# KiCad board pcb.kicad_pcb (continued)
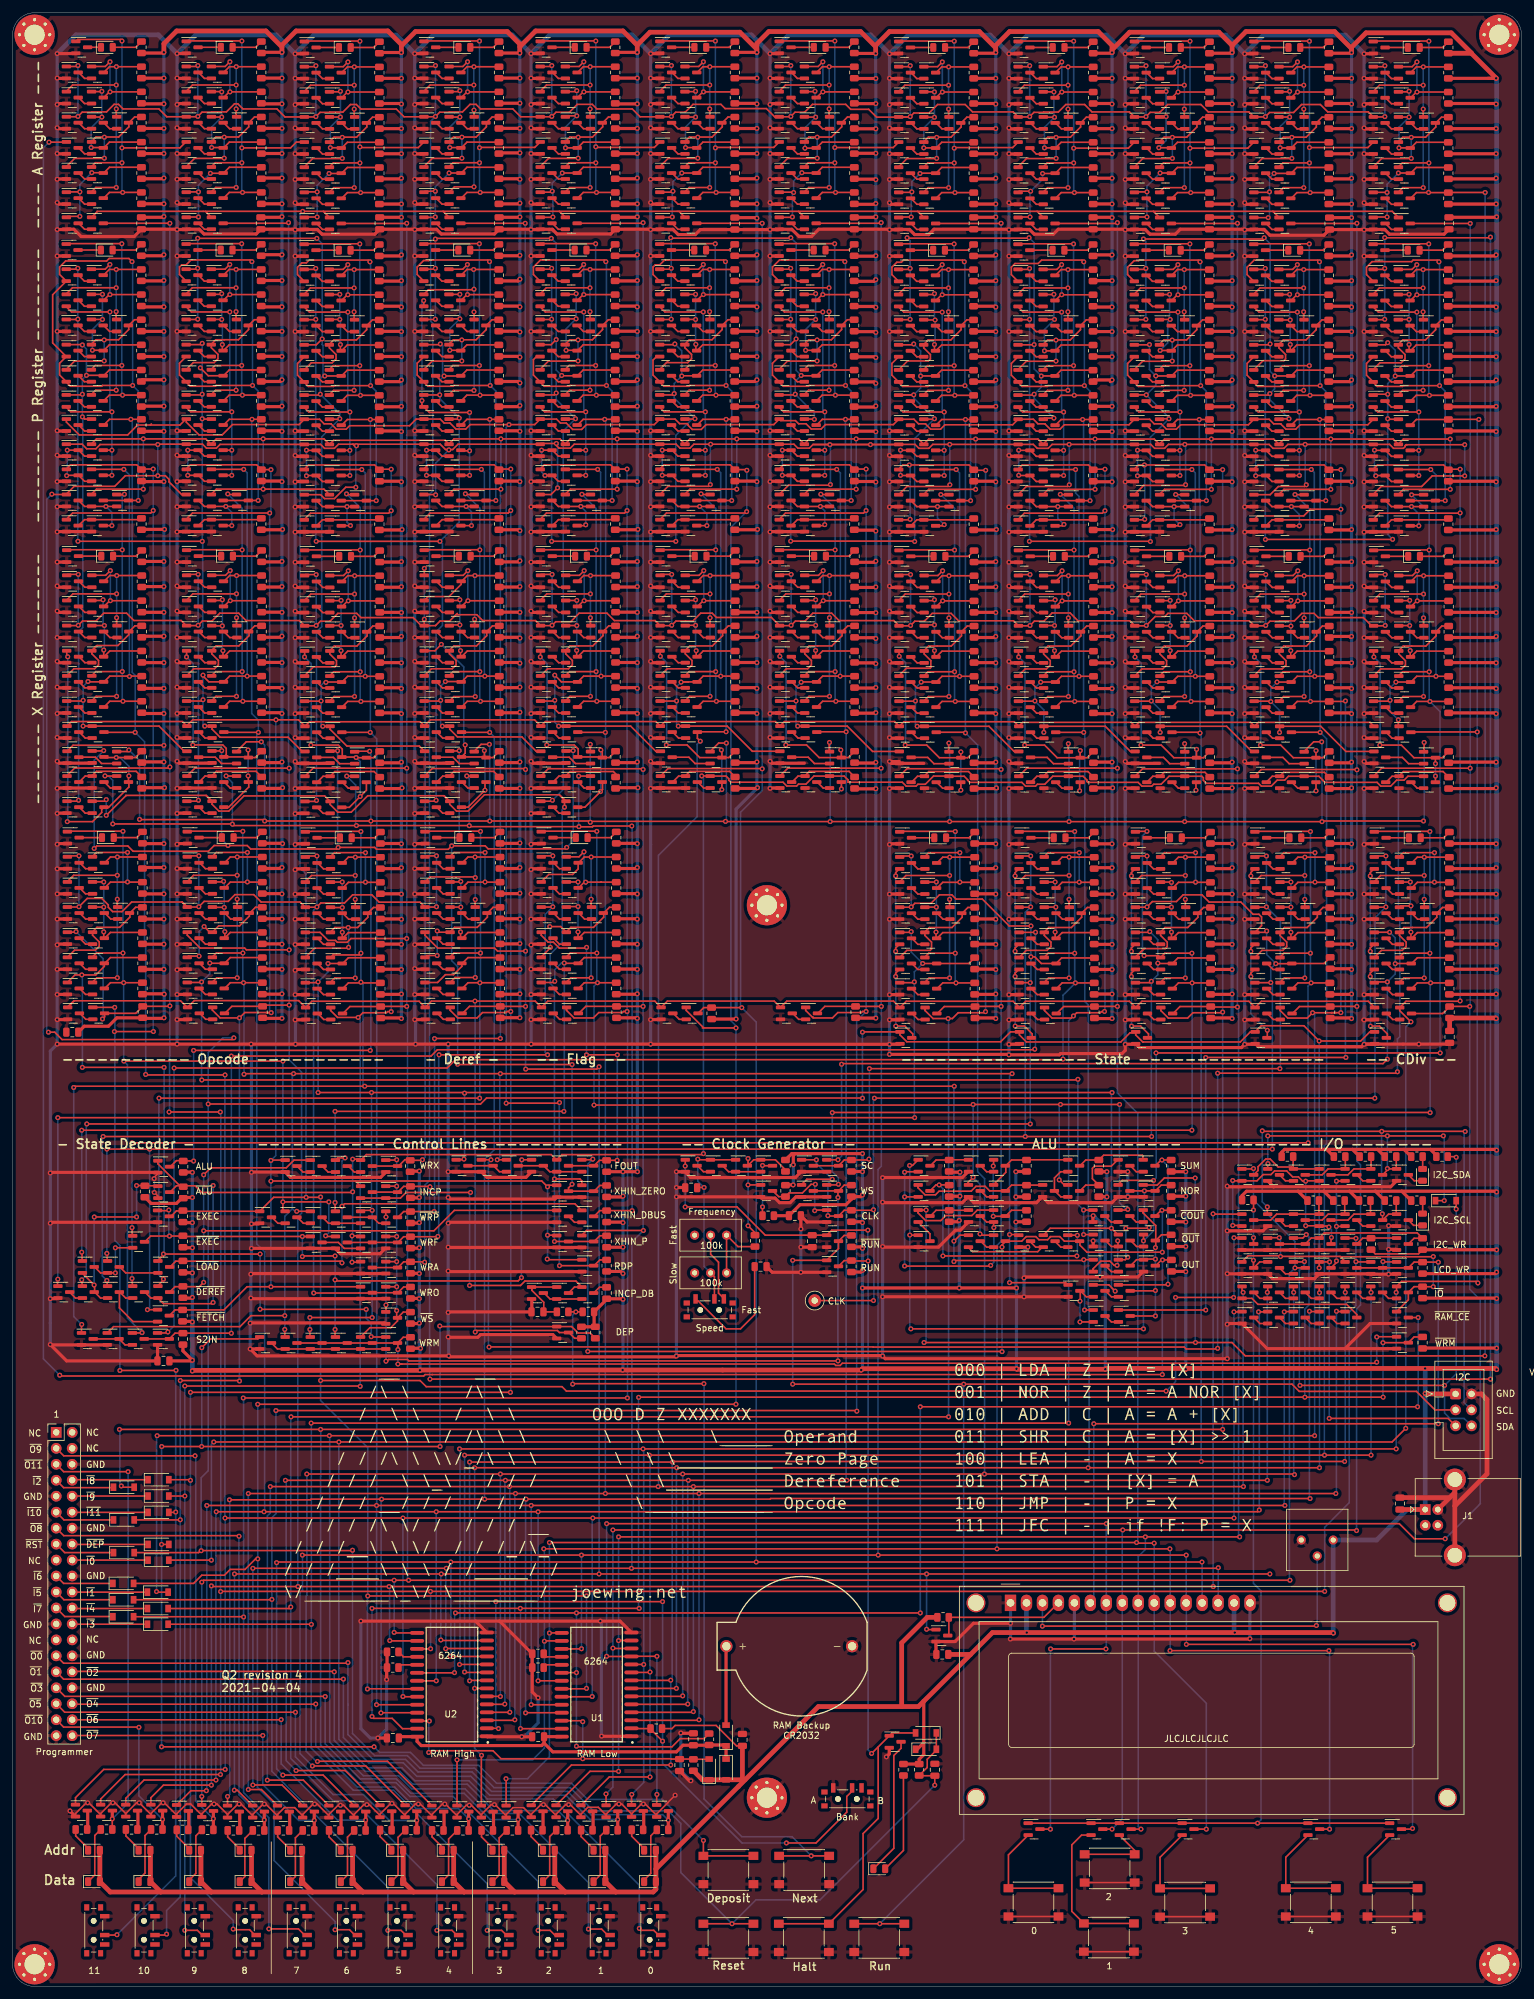
[diagram p0: board, top side]
## Routing (per net, layer and track width the routed paths; a pad name or vN(x,y) marks a point on that pad's centre or on a via; arc(x,y) is an arc through that point) (continued)
Net-(D17-Pad1): length 3.6
  Top w0.25: 48.51,182.76 D17.1
Net-(D17-Pad2): length 4.9
  Top w0.25: R165.2 57.6,182.76 D17.2
Net-(D18-Pad1): length 3.6
  Top w0.25: 161.88,276.24 D18.1
Net-(D18-Pad2): length 4.9
  Top w0.25: R176.2 170.97,276.24 D18.2
Net-(D19-Pad1): length 3.6
  Top w0.25: 161.9,308.5 D19.1
Net-(D19-Pad2): length 4.9
  Top w0.25: D19.2 170.99,308.5 R183.2
Net-(D20-Pad1): length 3.6
  Top w0.25: 161.95,227.54 D20.1
Net-(D20-Pad2): length 4.9
  Top w0.25: D20.2 171.04,227.54 R192.2
Net-(D21-Pad1): length 3.6
  Top w0.25: 162.06,182.76 D21.1
Net-(D21-Pad2): length 4.9
  Top w0.25: D21.2 171.15,182.76 R199.2
Net-(D22-Pad1): length 3.6
  Top w0.25: 67.36,276.27 D22.1
Net-(D22-Pad2): length 4.9
  Top w0.25: R223.2 76.44,276.27 D22.2
Net-(D23-Pad1): length 3.6
  Top w0.25: 67.38,308.52 D23.1
Net-(D23-Pad2): length 4.9
  Top w0.25: R230.2 76.46,308.52 D23.2
Net-(D24-Pad1): length 3.6
  Top w0.25: 67.42,227.56 D24.1
Net-(D24-Pad2): length 4.9
  Top w0.25: R239.2 76.51,227.56 D24.2
Net-(D25-Pad1): length 3.6
  Top w0.25: 67.54,182.78 D25.1
Net-(D25-Pad2): length 4.9
  Top w0.25: R246.2 76.62,182.78 D25.2
Net-(D26-Pad1): length 3.6
  Top w0.25: 180.38,276.24 D26.1
Net-(D26-Pad2): length 4.9
  Top w0.25: D26.2 189.47,276.24 R257.2
Net-(D27-Pad1): length 3.6
  Top w0.25: 180.4,308.5 D27.1
Net-(D27-Pad2): length 4.9
  Top w0.25: D27.2 189.49,308.5 R264.2
Net-(D28-Pad1): length 3.6
  Top w0.25: 180.45,227.54 D28.1
Net-(D28-Pad2): length 4.9
  Top w0.25: D28.2 189.54,227.54 R273.2
Net-(D29-Pad1): length 3.6
  Top w0.25: 180.56,182.76 D29.1
Net-(D29-Pad2): length 4.9
  Top w0.25: D29.2 189.65,182.76 R280.2
Net-(D33-Pad1): length 3.6
  Top w0.25: 85.85,276.27 D33.1
Net-(D33-Pad2): length 4.9
  Top w0.25: R304.2 94.94,276.27 D33.2
Net-(D34-Pad1): length 3.6
  Top w0.25: 85.88,308.52 D34.1
Net-(D34-Pad2): length 4.9
  Top w0.25: R311.2 94.96,308.52 D34.2
Net-(D35-Pad1): length 3.6
  Top w0.25: 85.93,227.56 D35.1
Net-(D35-Pad2): length 4.9
  Top w0.25: R320.2 95.01,227.56 D35.2
Net-(D36-Pad1): length 3.6
  Top w0.25: 86.04,182.78 D36.1
Net-(D36-Pad2): length 4.9
  Top w0.25: R327.2 95.12,182.78 D36.2
Net-(D37-Pad1): length 3.6
  Top w0.25: 199.38,276.24 D37.1
Net-(D37-Pad2): length 4.9
  Top w0.25: D37.2 208.47,276.24 R338.2
Net-(D38-Pad1): length 3.6
  Top w0.25: 199.4,308.5 D38.1
Net-(D38-Pad2): length 4.9
  Top w0.25: D38.2 208.49,308.5 R345.2
Net-(D39-Pad1): length 3.6
  Top w0.25: 199.45,227.54 D39.1
Net-(D39-Pad2): length 4.9
  Top w0.25: R354.2 208.54,227.54 D39.2
Net-(D40-Pad1): length 3.6
  Top w0.25: 199.56,182.76 D40.1
Net-(D40-Pad2): length 4.9
  Top w0.25: D40.2 208.65,182.76 R361.2
Net-(D43-Pad1): length 3.8
  Top w0.25: 60.44,21.87 58.47,23.85 R372.1
Net-(D44-Pad1): length 9.1
  Top w0.25: D44.1 61.32,17.73 61.32,23.72 R373.1
Net-(D45-Pad1): length 3.8
  Top w0.25: R374.1 10.04,23.95 12.01,21.98
Net-(D46-Pad1): length 9.1
  Top w0.25: D46.1 13.07,17.73 13.07,24.01 R375.1
Net-(D47-Pad1): length 3.8
  Top w0.25: 68.7,21.82 66.73,23.8 R376.1
Net-(D48-Pad1): length 9.2
  Top w0.25: R377.1 69.36,23.45 69.36,17.73 D48.1
Net-(D49-Pad1): length 3.8
  Top w0.25: R378.1 18.03,23.95 20,21.97
Net-(D50-Pad1): length 8.8
  Top w0.25: 20,16.97 21.06,18.03 21.06,24.01 R379.1
Net-(D51-Pad1): length 3.8
  Top w0.25: 76.57,21.82 74.6,23.8 R380.1
Net-(D52-Pad1): length 9.1
  Top w0.25: R381.1 77.4,23.62 77.4,17.73 D52.1
Net-(D53-Pad1): length 3.8
  Top w0.25: 28.09,21.92 26.12,23.9 R382.1
Net-(D54-Pad1): length 8.8
  Top w0.25: R383.1 29.15,23.96 29.15,17.98 28.09,16.92
Net-(D55-Pad1): length 3.8
  Top w0.25: 84.45,21.87 82.48,23.85 R384.1
Net-(D56-Pad1): length 9.1
  Top w0.25: D56.1 85.44,17.73 85.44,23.84 R385.1
Net-(D57-Pad1): length 3.8
  Top w0.25: 36.19,21.82 34.22,23.8 R386.1
Net-(D58-Pad1): length 9
  Top w0.25: D58.1 36.95,17.48 36.95,23.55 R387.1
Net-(D59-Pad1): length 3.8
  Top w0.25: 92.41,21.87 90.44,23.85 R388.1
Net-(D60-Pad1): length 9
  Top w0.25: R389.1 93.48,23.92 93.48,17.73 D60.1
Net-(D61-Pad1): length 3.8
  Top w0.25: R390.1 42.17,23.8 44.14,21.82
Net-(D62-Pad1): length 9
  Top w0.25: R391.1 44.99,23.64 44.99,17.48 D62.1
Net-(D63-Pad1): length 3.8
  Top w0.25: 100.46,21.92 98.49,23.9 R392.1
Net-(D64-Pad1): length 8.8
  Top w0.25: R393.1 101.52,23.96 101.52,17.98 100.46,16.92
Net-(D65-Pad1): length 3.8
  Top w0.25: R394.1 50.34,23.8 52.31,21.82
Net-(D66-Pad1): length 9
  Top w0.25: R395.1 53.28,23.76 53.28,17.73 D66.1
Net-(D67-Pad1): length 3.6
  Top w0.25: 218.38,276.24 D67.1
Net-(D67-Pad2): length 4.9
  Top w0.25: D67.2 227.47,276.24 R402.2
Net-(D68-Pad1): length 3.6
  Top w0.25: 218.4,308.5 D68.1
Net-(D68-Pad2): length 4.9
  Top w0.25: R409.2 227.49,308.5 D68.2
Net-(D69-Pad1): length 12
  Top w0.25: 9.51,75.43 D69.1
Net-(D70-Pad1): length 9.6
  Top w0.25: D70.1 8.17,74.23 J2.11
Net-(D71-Pad1): length 12
  Top w0.25: 9.51,78.03 D71.1
Net-(D72-Pad1): length 12
  Top w0.25: D72.1 9.57,80.63
Net-(D73-Pad1): length 9.4
  Top w0.25: J2.7 8.12,79.36 15.88,79.36
Net-(D74-Pad1): length 11.9
  Top w0.25: 9.53,57.63 D74.1
Net-(D75-Pad1): length 12.2
  Top w0.25: 9.57,60.13 21.75,60.13
Net-(D76-Pad1): length 9.5
  Top w0.25: D76.1 8.17,61.53 J2.21
Net-(D77-Pad1): length 9.8
  Top w0.25: 16.15,69.03 8.29,69.03 J2.15
Net-(D78-Pad1): length 12
  Top w0.25: 9.53,70.33 D78.1
Net-(D79-Pad1): length 12.1
  Top w0.25: 9.49,67.83 D79.1
Net-(D80-Pad1): length 11.9
  Top w0.25: 9.51,62.73 D80.1
Net-(D81-Pad1): length 9.5
  Top w0.25: J2.23 8.31,58.85 15.92,58.85
Net-(D82-Pad1): length 9.5
  Top w0.25: J2.19 8.12,64.12 15.94,64.12
Net-(D83-Pad1): length 3.6
  Top w0.25: 218.45,227.54 D83.1
Net-(D83-Pad2): length 4.9
  Top w0.25: R418.2 227.54,227.54 D83.2
Net-(D84-Pad1): length 3.6
  Top w0.25: 218.56,182.76 D84.1
Net-(D84-Pad2): length 4.9
  Top w0.25: R427.2 227.65,182.76 D84.2
Net-(D85-Pad1): length 3.6
  Top w0.25: 104.9,308.52 D85.1
Net-(D85-Pad2): length 4.9
  Top w0.25: D85.2 113.99,308.52 R436.2
Net-(D86-Pad1): length 3.6
  Top w0.25: 104.95,227.56 D86.1
Net-(D86-Pad2): length 4.9
  Top w0.25: R445.2 114.04,227.56 D86.2
Net-(D87-Pad1): length 3.6
  Top w0.25: 123.88,276.27 D87.1
Net-(D87-Pad2): length 4.9
  Top w0.25: D87.2 132.97,276.27 R454.2
Net-(D88-Pad1): length 3.6
  Top w0.25: 123.9,308.52 D88.1
Net-(D88-Pad2): length 4.9
  Top w0.25: R461.2 132.99,308.52 D88.2
Net-(D89-Pad1): length 3.6
  Top w0.25: 123.95,227.56 D89.1
Net-(D89-Pad2): length 4.9
  Top w0.25: D89.2 133.04,227.56 R470.2
Net-(D90-Pad1): length 3.6
  Top w0.25: 104.88,276.27 D90.1
Net-(D90-Pad2): length 4.9
  Top w0.25: D90.2 113.97,276.27 R477.2
Net-(D91-Pad1): length 2.7
  Top w0.25: D91.1 222.98,128.19 Q1096.3
Net-(D91-Pad2): length 1.9
  Top w0.25: R488.2 224.31,130.08
Net-(D92-Pad1): length 2.6
  Top w0.25: Q1110.3 222.88,121.09 D92.1
Net-(D92-Pad2): length 2.1
  Top w0.25: R495.2 224.31,122.98
Net-(D93-Pad1): length 54.9
  Top w0.25: v1(218.7,130.13) 218.75,130.08 Q1096.1 ; v1(199.68,135.33) v1(218.7,135.33) v1(227.6,135.33) ; 218.89,130.08 Q1099.3 ; R490.2 220.11,130.13 ; v1(199.7,130.93) 199.66,130.89 Q1095.1 ; D93.1 v1(227.75,125.03)
  Bottom w0.25: v1(227.6,135.33) 227.75,135.18 v1(227.75,125.03) ; v1(199.68,135.33) 199.68,133.57 199.67,133.57 199.67,130.95 v1(199.7,130.93) ; v1(218.7,130.13) v1(218.7,135.33)
Net-(DS1-Pad3): length 58.4
  Top w0.25: v1(207.4,57.43) 207.3,57.33 v1(163.82,57.33)
  Bottom w0.25: DS1.3 163.83,57.33 v1(163.82,57.33) ; v1(207.4,57.43) 207.54,57.57 RV3.2
Net-(DS1-Pad4): length 21.1
  Top w0.25: 148.94,56 R371.2 164.07,58.73 DS1.4
Net-(Q1-Pad2): length 2.4
  Top w0.25: 12.7,153.88 11.65,153.88 10.7,154.83
Net-(Q3-Pad2): length 2.4
  Top w0.25: 12.5,247.48 11.45,247.48 10.5,248.43
Net-(Q10-Pad3): length 12.5
  Top w0.25: 10.5,240.43 11.45,239.48 12.5,239.48 ; 12.5,243.48 11.45,243.48 10.5,244.43 ; v1(8.6,240.38) 8.65,240.43 Q10.3 ; Q9.3 v1(8.7,244.43)
  Bottom w0.25: v1(8.6,240.38) 8.7,240.48 v1(8.7,244.43)
Net-(Q11-Pad3): length 11.1
  Top w0.25: 16.5,235.48 v1(14.85,235.48) 11.45,235.48 10.5,236.43 ; 14.5,232.43 v1(15.8,232.43)
  Bottom w0.25: v1(15.8,232.43) 15.8,234.53 v1(14.85,235.48)
Net-(Q12-Pad1): length 10.2
  Top w0.25: 10.5,232.43 11.45,233.38 20.29,233.38
Net-(Q14-Pad1): length 39.6
  Top w0.25: 14.48,272.27 15.39,273.18 v1(16.49,273.18) R9.2 ; v1(16.48,253.97) 13.23,253.97 12.48,253.22 ; v1(16.48,266.47) 16.48,265.22 ; 8.48,269.22 9.53,270.27 v1(16.48,270.27)
  Bottom w0.25: v1(16.48,253.97) v1(16.48,266.47) v1(16.48,270.27) 16.48,273.17 v1(16.49,273.18)
Net-(Q14-Pad2): length 2.4
  Top w0.25: 10.48,252.27 11.43,251.32 12.48,251.32
Net-(Q15-Pad1): length 21.1
  Top w0.25: 14.48,260.27 15.39,261.18 R11.2 ; v1(14.3,269.23) 14.3,269.22 Q15.1 ; v1(14.3,265.23) 12.55,265.23 ; v1(12.7,260.32) 14.37,260.32
  Bottom w0.25: v1(12.7,260.32) 12.7,263.63 v1(14.3,265.23) v1(14.3,269.23)
Net-(Q15-Pad2): length 2.4
  Top w0.25: 10.48,268.27 11.43,267.32 12.48,267.32
Net-(Q15-Pad3): length 14.5
  Top w0.25: 14.48,268.27 15.39,269.18 v1(15.49,269.18) R6.2 ; v1(15.48,273.97) 14.73,273.22 12.48,273.22
  Bottom w0.25: v1(15.48,273.97) 15.48,269.2 v1(15.49,269.18)
Net-(Q19-Pad2): length 2.4
  Top w0.25: 10.48,256.27 11.43,255.32 12.48,255.32
Net-(Q20-Pad2): length 2.4
  Top w0.25: 10.48,272.27 11.43,271.32 12.48,271.32
Net-(Q21-Pad1): length 20.1
  Top w0.25: R10.2 19.39,265.18 18.48,264.27 18.48,263.62 16.86,262 14.61,262 ; 12.48,261.22 13.26,262 14.61,262 ; 14.61,262 v1(14.58,261.97) ; 8.48,257.22 9.85,258.6 14.54,258.6 v1(14.58,258.63)
  Bottom w0.25: v1(14.58,261.97) v1(14.58,258.63)
Net-(Q23-Pad2): length 2.4
  Top w0.25: 14.48,264.27 15.43,263.32 16.48,263.32
Net-(Q24-Pad2): length 2.4
  Top w0.25: 10.48,264.27 11.43,263.32 12.48,263.32
Net-(Q26-Pad2): length 2.4
  Top w0.25: 10.48,260.27 11.43,259.32 12.48,259.32
Net-(Q28-Pad2): length 2.4
  Top w0.25: 12.5,279.58 11.45,279.58 10.5,280.53
Net-(Q30-Pad1): length 39.6
  Top w0.25: 14.5,304.53 15.41,305.44 v1(16.51,305.44) R16.2 ; 12.5,285.48 13.25,286.23 v1(16.5,286.23) ; v1(16.5,298.73) 16.5,297.48 ; v1(16.5,302.53) 9.55,302.53 8.5,301.48
  Bottom w0.25: v1(16.51,305.44) 16.5,305.43 v1(16.5,302.53) v1(16.5,298.73) v1(16.5,286.23)
Net-(Q30-Pad2): length 2.4
  Top w0.25: 12.5,283.58 11.45,283.58 10.5,284.53
Net-(Q31-Pad1): length 21.2
  Top w0.25: v1(12.5,292.58) 14.39,292.58 ; R18.2 15.41,293.44 14.5,292.53 ; Q31.1 14.15,301.48 v1(14.2,301.53) ; v1(14.2,297.43) 12.61,297.43
  Bottom w0.25: v1(14.2,301.53) v1(14.2,297.43) 12.5,295.73 v1(12.5,292.58)
Net-(Q31-Pad2): length 2.4
  Top w0.25: 10.5,300.53 11.45,299.58 12.5,299.58
Net-(Q31-Pad3): length 14.5
  Top w0.25: 12.5,305.48 14.75,305.48 v1(15.5,306.23) ; 14.5,300.53 15.41,301.44 v1(15.51,301.44) R13.2
  Bottom w0.25: v1(15.51,301.44) 15.5,301.45 v1(15.5,306.23)
Net-(Q35-Pad2): length 2.4
  Top w0.25: 10.5,288.53 11.45,287.58 12.5,287.58
Net-(Q36-Pad2): length 2.4
  Top w0.25: 10.5,304.53 11.45,303.58 12.5,303.58
Net-(Q37-Pad1): length 20.1
  Top w0.25: 8.5,289.48 9.87,290.85 14.56,290.85 v1(14.6,290.89) ; R17.2 19.41,297.44 18.5,296.53 18.5,295.88 16.88,294.25 14.63,294.25 ; 14.63,294.25 v1(14.6,294.23) ; 14.63,294.25 13.28,294.25 12.5,293.48
  Bottom w0.25: v1(14.6,294.23) v1(14.6,290.89)
Net-(Q39-Pad2): length 2.4
  Top w0.25: 16.5,295.58 15.45,295.58 14.5,296.53
Net-(Q40-Pad2): length 2.4
  Top w0.25: 10.5,296.53 11.45,295.58 12.5,295.58
Net-(Q42-Pad2): length 2.4
  Top w0.25: 10.5,292.53 11.45,291.58 12.5,291.58
Net-(Q44-Pad2): length 2.3
  Top w0.25: 16.5,190.68 15.55,190.68 14.6,191.63
Net-(Q45-Pad2): length 2.4
  Top w0.25: 10.6,199.58 11.55,198.63 12.6,198.63
Net-(Q46-Pad2): length 2.4
  Top w0.25: 10.6,187.63 11.55,186.68 12.6,186.68
Net-(Q47-Pad2): length 6.4
  Top w0.25: 14.17,194.58 13.17,195.58 10.6,195.58 ; 14.14,194.58 16.5,194.58
Net-(Q49-Pad1): length 11
  Top w0.25: 10.6,191.63 11.55,192.58 12.6,192.58 13.35,193.32 19.66,193.32 R20.2
Net-(Q54-Pad1): length 39.6
  Top w0.25: 14.55,223.57 15.46,224.48 v1(16.56,224.48) R25.2 ; v1(16.55,205.27) 13.3,205.27 12.55,204.52 ; v1(16.55,217.77) 16.55,216.52 ; 8.55,220.52 9.6,221.57 v1(16.55,221.57)
  Bottom w0.25: v1(16.55,205.27) v1(16.55,217.77) v1(16.55,221.57) 16.55,224.47 v1(16.56,224.48)
Net-(Q54-Pad2): length 2.4
  Top w0.25: 10.55,203.57 11.5,202.62 12.55,202.62
Net-(Q55-Pad1): length 19.4
  Top w0.25: 14.55,211.57 15.46,212.48 R27.2 ; Q55.1 14.29,220.52 v1(14.4,220.63) ; v1(14.5,212.63) 14.5,211.58 ; v1(14.6,216.53) 12.62,216.53
  Bottom w0.25: v1(14.4,220.63) 14.4,216.73 v1(14.6,216.53) 14.6,212.73 v1(14.5,212.63)
Net-(Q55-Pad2): length 2.4
  Top w0.25: 10.55,219.57 11.5,218.62 12.55,218.62
Net-(Q55-Pad3): length 14.5
  Top w0.25: 14.55,219.57 15.46,220.48 v1(15.56,220.48) R22.2 ; v1(15.55,225.27) 14.8,224.52 12.55,224.52
  Bottom w0.25: v1(15.55,225.27) 15.55,220.49 v1(15.56,220.48)
Net-(Q59-Pad2): length 2.4
  Top w0.25: 10.55,207.57 11.5,206.62 12.55,206.62
Net-(Q60-Pad2): length 2.4
  Top w0.25: 10.55,223.57 11.5,222.62 12.55,222.62
Net-(Q61-Pad1): length 19.4
  Top w0.25: 18.55,215.57 19.46,216.48 R26.2 ; 13.33,213.29 12.55,212.52 ; Q63.3 18.49,215.08 16.76,213.35 13.45,213.35 Q66.1 12.61,212.03 13.68,210.97 13.68,210.27 13.06,209.65 9.75,209.65 Q61.1
Net-(Q63-Pad2): length 2.4
  Top w0.25: 14.55,215.57 15.5,214.62 16.55,214.62
Net-(Q64-Pad2): length 2.4
  Top w0.25: 10.55,215.57 11.5,214.62 12.55,214.62
Net-(Q66-Pad2): length 2.4
  Top w0.25: 10.55,211.57 11.5,210.62 12.55,210.62
Net-(Q68-Pad1): length 39.6
  Top w0.25: 14.66,178.79 15.57,179.7 v1(16.67,179.7) R32.2 ; v1(16.66,160.49) 13.41,160.49 12.66,159.74 ; v1(16.66,172.99) 16.66,171.74 ; 8.66,175.74 9.71,176.79 v1(16.66,176.79)
  Bottom w0.25: v1(16.66,160.49) v1(16.66,172.99) v1(16.66,176.79) 16.66,179.69 v1(16.67,179.7)
Net-(Q68-Pad2): length 2.4
  Top w0.25: 10.66,158.79 11.61,157.84 12.66,157.84
Net-(Q69-Pad1): length 18.8
  Top w0.25: 14.66,166.79 15.57,167.7 R34.2 ; v1(14.5,171.73) 12.73,171.73 ; v1(14.5,175.73) 14.49,175.74 Q69.1 ; v1(14.5,167.79) 14.5,166.88
  Bottom w0.25: v1(14.5,175.73) v1(14.5,171.73) v1(14.5,167.79)
Net-(Q69-Pad2): length 2.4
  Top w0.25: 10.66,174.79 11.61,173.84 12.66,173.84
Net-(Q69-Pad3): length 17.1
  Top w0.25: 18.23,175.7 15.57,175.7 14.66,174.79 ; 18.23,175.7 18.25,175.73 v1(18.29,175.73) 18.27,175.71 18.27,175.7 ; 18.23,175.7 18.27,175.7 ; v1(18.29,180.42) 13.35,180.42 12.66,179.74 ; 18.27,175.7 R29.2
  Bottom w0.25: v1(18.29,175.73) v1(18.29,180.42)
Net-(Q73-Pad2): length 2.4
  Top w0.25: 10.66,162.79 11.61,161.84 12.66,161.84
Net-(Q74-Pad2): length 2.4
  Top w0.25: 10.66,178.79 11.61,177.84 12.66,177.84
Net-(Q75-Pad1): length 18.5
  Top w0.25: R33.2 19.57,171.7 18.66,170.79 18.66,170.14 17.04,168.51 13.44,168.51 12.66,167.74 ; Q80.1 12.72,167.25 13.79,166.19 13.79,165.49 13.17,164.87 9.86,164.87 Q75.1
Net-(Q77-Pad2): length 2.4
  Top w0.25: 14.66,170.79 15.61,169.84 16.66,169.84
Net-(Q78-Pad2): length 2.4
  Top w0.25: 10.66,170.79 11.61,169.84 12.66,169.84
Net-(Q80-Pad2): length 2.4
  Top w0.25: 10.66,166.79 11.61,165.84 12.66,165.84
Net-(Q82-Pad2): length 30.4
  Top w0.25: Q82.2 24.01,108.63 31.7,108.63 v1(31.9,108.83) ; 32,127.33 v1(31.9,127.43) ; 21.05,110.48 22,109.53 23.05,109.53
  Bottom w0.25: v1(31.9,108.83) v1(31.9,127.43)
Net-(Q83-Pad2): length 6.4
  Top w0.25: 23.05,113.53 18,113.53 17.05,114.48
Net-(Q84-Pad2): length 11.9
  Top w0.25: 19.05,109.53 18,109.53 17.05,110.48 ; Q89.3 16.99,107.96 19.17,105.78 Q84.2
Net-(Q86-Pad2): length 10.4
  Top w0.25: v1(16.35,113.53) 14,113.53 13.05,114.48 ; 19.05,117.53 v1(16.35,117.53)
  Bottom w0.25: v1(16.35,117.53) v1(16.35,113.53)
Net-(Q88-Pad2): length 32.1
  Top w0.25: 11.05,113.53 v1(12.97,111.6) 13.05,111.53 13.05,110.48 14,109.53 15.05,109.53 ; R39.2 23.01,127.39 ; v1(19.72,127.43) 21.01,127.43 ; v1(13,122.43) v1(19.72,122.43)
  Bottom w0.25: v1(13,122.43) 12.97,122.4 v1(12.97,111.6) ; v1(19.72,122.43) v1(19.72,127.43)
Net-(Q91-Pad2): length 2.4
  Top w0.25: 9.05,110.48 10,109.53 11.05,109.53
Net-(Q93-Pad2): length 6.6
  Top w0.25: Q93.2 17.89,102.08 Q96.3 Q95.3
Net-(Q106-Pad2): length 6.5
  Top w0.25: Q113.3 51.82,118.38 52.77,117.43 Q106.2
Net-(Q108-Pad2): length 54
  Top w0.25: Q108.2 Q109.2 61.7,125.43 62.6,126.33 v1(72.85,126.33) ; 72.87,111.7 v1(72.7,111.53) 80.8,111.53 81.5,112.23 89.61,112.23 Q116.1 89.39,111.28 Q115.3
  Bottom w0.25: v1(72.85,126.33) 72.7,126.18 v1(72.7,111.53)
Net-(Q115-Pad2): length 6.4
  Top w0.25: 90.55,109.38 85.5,109.38 84.55,110.33
Net-(Q116-Pad3): length 2.4
  Top w0.25: Q116.3 93.35,111.24 R52.1
Net-(Q118-Pad2): length 2.4
  Top w0.25: 53.4,130.53 54.35,129.58 55.4,129.58
Net-(Q120-Pad2): length 6.4
  Top w0.25: 59.3,121.43 58.25,121.43 57.3,122.38 53.3,122.38
Net-(Q123-Pad2): length 10.4
  Top w0.25: 90.5,129.63 85.45,129.63 84.5,130.58 80.5,130.58
Net-(Q125-Pad2): length 6.4
  Top w0.25: 55.3,121.43 50.25,121.43 49.3,122.38
Net-(Q128-Pad2): length 6.4
  Top w0.25: 78.5,129.63 77.45,129.63 76.5,130.58 72.5,130.58
Net-(Q130-Pad2): length 2.4
  Top w0.25: 45.3,122.38 46.25,121.43 47.3,121.43
Net-(Q131-Pad2): length 2.4
  Top w0.25: 43.3,121.43 42.2,121.43 41.25,122.38
Net-(Q132-Pad3): length 18.6
  Top w0.25: Q136.2 Q140.2 Q139.2 Q138.2 Q137.2 42.14,101.43 Q132.3
Net-(Q141-Pad2): length 2.4
  Top w0.25: 29.77,154.83 30.72,153.88 31.77,153.88
Net-(Q143-Pad2): length 2.4
  Top w0.25: 29.57,248.43 30.52,247.48 31.57,247.48
Net-(Q145-Pad2): length 12.1
  Top w0.25: 29.57,244.43 30.52,243.48 31.57,243.48 ; 29.57,240.43 30.52,239.48 31.57,239.48 ; Q150.3 v1(27.87,240.43) ; Q149.3 v1(27.87,244.43)
  Bottom w0.25: v1(27.87,244.43) v1(27.87,240.43)
Net-(Q147-Pad2): length 11.1
  Top w0.25: 29.57,236.43 30.52,235.48 v1(33.92,235.48) 35.57,235.48 ; 33.57,232.43 v1(34.87,232.43)
  Bottom w0.25: v1(33.92,235.48) 34.87,234.53 v1(34.87,232.43)
Net-(Q152-Pad1): length 10.2
  Top w0.25: 29.57,232.43 30.52,233.38 39.36,233.38
Net-(Q154-Pad1): length 39.6
  Top w0.25: 33.55,272.27 34.46,273.18 v1(35.56,273.18) R66.2 ; v1(35.55,253.97) 32.3,253.97 31.55,253.22 ; v1(35.55,266.47) 35.55,265.22 ; 27.55,269.22 28.6,270.27 v1(35.55,270.27)
  Bottom w0.25: v1(35.55,253.97) v1(35.55,266.47) v1(35.55,270.27) 35.55,273.17 v1(35.56,273.18)
Net-(Q154-Pad2): length 2.4
  Top w0.25: 29.55,252.27 30.5,251.32 31.55,251.32
Net-(Q155-Pad1): length 18.7
  Top w0.25: 33.55,260.27 34.46,261.18 R68.2 ; v1(33.27,265.23) 31.62,265.23 ; v1(33.37,261.23) 33.37,260.39 ; v1(33.27,269.33) 33.16,269.22 Q155.1
  Bottom w0.25: v1(33.37,261.23) 33.37,265.13 v1(33.27,265.23) v1(33.27,269.33)
Net-(Q155-Pad2): length 2.4
  Top w0.25: 29.55,268.27 30.5,267.32 31.55,267.32
Net-(Q155-Pad3): length 14.5
  Top w0.25: 33.55,268.27 34.46,269.18 v1(34.56,269.18) R63.2 ; v1(34.55,273.97) 33.8,273.22 31.55,273.22
  Bottom w0.25: v1(34.55,273.97) 34.55,269.2 v1(34.56,269.18)
Net-(Q159-Pad2): length 2.4
  Top w0.25: 29.55,256.27 30.5,255.32 31.55,255.32
Net-(Q160-Pad2): length 2.4
  Top w0.25: 29.55,272.27 30.5,271.32 31.55,271.32
Net-(Q161-Pad1): length 18.5
  Top w0.25: R67.2 38.46,265.18 37.55,264.27 37.55,263.62 35.92,262 33.67,262 ; 31.55,261.22 32.32,262 33.67,262 ; 33.67,262 33.65,261.97 ; Q161.1 28.75,258.36 32.06,258.36 32.67,258.97 32.67,259.67 31.61,260.74 Q166.1
Net-(Q163-Pad2): length 2.4
  Top w0.25: 33.55,264.27 34.5,263.32 35.55,263.32
Net-(Q164-Pad2): length 2.4
  Top w0.25: 29.55,264.27 30.5,263.32 31.55,263.32
Net-(Q166-Pad2): length 2.4
  Top w0.25: 29.55,260.27 30.5,259.32 31.55,259.32
Net-(Q168-Pad2): length 2.4
  Top w0.25: 29.57,280.53 30.52,279.58 31.57,279.58
Net-(Q170-Pad1): length 39.6
  Top w0.25: 33.57,304.53 34.48,305.44 v1(35.58,305.44) R73.2 ; v1(35.57,286.23) 32.32,286.23 31.57,285.48 ; v1(35.57,298.73) 35.57,297.48 ; 27.57,301.48 28.62,302.53 v1(35.57,302.53)
  Bottom w0.25: v1(35.57,286.23) v1(35.57,298.73) v1(35.57,302.53) 35.57,305.43 v1(35.58,305.44)
Net-(Q170-Pad2): length 2.4
  Top w0.25: 29.57,284.53 30.52,283.58 31.57,283.58
Net-(Q171-Pad1): length 20.9
  Top w0.25: 33.57,292.53 34.48,293.44 R75.2 ; v1(31.67,292.58) 33.46,292.58 ; v1(33.27,301.43) 33.22,301.48 Q171.1 ; v1(33.27,297.43) 31.68,297.43
  Bottom w0.25: v1(31.67,292.58) 31.67,295.83 v1(33.27,297.43) v1(33.27,301.43)
Net-(Q171-Pad2): length 2.4
  Top w0.25: 29.57,300.53 30.52,299.58 31.57,299.58
Net-(Q171-Pad3): length 14.5
  Top w0.25: 33.57,300.53 34.48,301.44 v1(34.58,301.44) R70.2 ; v1(34.57,306.23) 33.82,305.48 31.57,305.48
  Bottom w0.25: v1(34.57,306.23) 34.57,301.45 v1(34.58,301.44)
Net-(Q175-Pad2): length 2.4
  Top w0.25: 29.57,288.53 30.52,287.58 31.57,287.58
Net-(Q176-Pad2): length 2.4
  Top w0.25: 29.57,304.53 30.52,303.58 31.57,303.58
Net-(Q177-Pad1): length 20.1
  Top w0.25: R74.2 38.48,297.44 37.57,296.53 37.57,295.88 35.94,294.25 33.69,294.25 ; 31.57,293.48 32.34,294.25 33.69,294.25 ; 33.69,294.25 v1(33.67,294.23) ; 27.57,289.48 28.94,290.85 33.63,290.85 v1(33.67,290.89)
  Bottom w0.25: v1(33.67,294.23) v1(33.67,290.89)
Net-(Q179-Pad2): length 2.4
  Top w0.25: 33.57,296.53 34.52,295.58 35.57,295.58
Net-(Q180-Pad2): length 2.4
  Top w0.25: 29.57,296.53 30.52,295.58 31.57,295.58
Net-(Q182-Pad2): length 2.4
  Top w0.25: 29.57,292.53 30.52,291.58 31.57,291.58
Net-(Q184-Pad2): length 2.3
  Top w0.25: 33.67,191.63 34.62,190.68 35.57,190.68
Net-(Q185-Pad2): length 2.4
  Top w0.25: 29.67,199.58 30.62,198.63 31.67,198.63
Net-(Q186-Pad2): length 2.4
  Top w0.25: 29.67,187.63 30.62,186.68 31.67,186.68
Net-(Q187-Pad2): length 6.4
  Top w0.25: 33.24,194.58 32.24,195.58 29.67,195.58 ; 33.2,194.58 35.57,194.58
Net-(Q189-Pad1): length 11
  Top w0.25: R77.2 38.73,193.32 32.42,193.32 31.67,192.58 30.62,192.58 29.67,191.63
Net-(Q194-Pad1): length 39.6
  Top w0.25: 33.62,223.57 34.53,224.48 v1(35.63,224.48) R82.2 ; v1(35.62,205.27) 32.37,205.27 31.62,204.52 ; v1(35.62,217.77) 35.62,216.52 ; 27.62,220.52 28.67,221.57 v1(35.62,221.57)
  Bottom w0.25: v1(35.62,205.27) v1(35.62,217.77) v1(35.62,221.57) 35.62,224.47 v1(35.63,224.48)
Net-(Q194-Pad2): length 2.4
  Top w0.25: 29.62,203.57 30.57,202.62 31.62,202.62
Net-(Q195-Pad1): length 18.8
  Top w0.25: 33.62,211.57 34.53,212.48 R84.2 ; v1(33.47,212.53) 33.47,211.65 ; v1(33.37,220.63) 33.26,220.52 Q195.1 ; v1(33.37,216.47) 31.73,216.47
  Bottom w0.25: v1(33.37,220.63) v1(33.37,216.47) 33.37,212.63 v1(33.47,212.53)
Net-(Q195-Pad2): length 2.4
  Top w0.25: 29.62,219.57 30.57,218.62 31.62,218.62
Net-(Q195-Pad3): length 14.5
  Top w0.25: 33.62,219.57 34.53,220.48 v1(34.63,220.48) R79.2 ; v1(34.62,225.27) 33.87,224.52 31.62,224.52
  Bottom w0.25: v1(34.62,225.27) 34.62,220.49 v1(34.63,220.48)
Net-(Q199-Pad2): length 2.4
  Top w0.25: 29.62,207.57 30.57,206.62 31.62,206.62
Net-(Q200-Pad2): length 2.4
  Top w0.25: 29.62,223.57 30.57,222.62 31.62,222.62
Net-(Q201-Pad1): length 18.5
  Top w0.25: R83.2 38.53,216.48 37.62,215.57 37.62,214.92 35.99,213.29 32.39,213.29 31.62,212.52 ; Q201.1 28.82,209.65 32.13,209.65 32.74,210.27 32.74,210.97 31.68,212.03 Q206.1
Net-(Q203-Pad2): length 2.4
  Top w0.25: 33.62,215.57 34.57,214.62 35.62,214.62
Net-(Q204-Pad2): length 2.4
  Top w0.25: 29.62,215.57 30.57,214.62 31.62,214.62
Net-(Q206-Pad2): length 2.4
  Top w0.25: 29.62,211.57 30.57,210.62 31.62,210.62
Net-(Q208-Pad1): length 39.6
  Top w0.25: 33.73,178.79 34.64,179.7 v1(35.74,179.7) R89.2 ; v1(35.73,160.49) 32.48,160.49 31.73,159.74 ; v1(35.73,172.99) 35.73,171.74 ; 27.73,175.74 28.78,176.79 v1(35.73,176.79)
  Bottom w0.25: v1(35.73,160.49) v1(35.73,172.99) v1(35.73,176.79) 35.73,179.69 v1(35.74,179.7)
Net-(Q208-Pad2): length 2.4
  Top w0.25: 29.73,158.79 30.68,157.84 31.73,157.84
Net-(Q209-Pad1): length 19
  Top w0.25: 33.73,166.79 34.64,167.7 R91.2 ; v1(33.77,167.83) 33.77,166.89 ; v1(33.67,171.69) 31.84,171.69 ; v1(33.57,175.83) 33.48,175.74 Q209.1
  Bottom w0.25: v1(33.77,167.83) 33.67,167.93 v1(33.67,171.69) 33.67,175.73 v1(33.57,175.83)
Net-(Q209-Pad2): length 2.4
  Top w0.25: 29.73,174.79 30.68,173.84 31.73,173.84
Net-(Q209-Pad3): length 17.1
  Top w0.25: 33.73,174.79 34.64,175.7 37.3,175.7 ; 37.34,175.7 37.34,175.71 v1(37.35,175.73) 37.32,175.73 37.3,175.7 ; 37.34,175.7 R86.2 ; 37.34,175.7 37.3,175.7 ; 31.73,179.74 32.42,180.42 v1(37.35,180.42)
  Bottom w0.25: v1(37.35,175.73) v1(37.35,180.42)
Net-(Q213-Pad2): length 2.4
  Top w0.25: 29.73,162.79 30.68,161.84 31.73,161.84
Net-(Q214-Pad2): length 2.4
  Top w0.25: 29.73,178.79 30.68,177.84 31.73,177.84
Net-(Q215-Pad1): length 18
  Top w0.25: 37.73,170.79 38.64,171.7 R90.2 ; 31.36,167.74 v1(30.47,168.63) ; Q220.1 32.81,168.75 36.12,168.75 37.67,170.3 Q217.3 ; Q215.1 27.98,163.93 v1(29.67,163.93)
  Bottom w0.25: v1(30.47,168.63) 29.67,167.83 v1(29.67,163.93)
Net-(Q217-Pad2): length 2.4
  Top w0.25: 33.73,170.79 34.68,169.84 35.73,169.84
Net-(Q218-Pad2): length 2.4
  Top w0.25: 29.73,170.79 30.68,169.84 31.73,169.84
Net-(Q220-Pad2): length 2.4
  Top w0.25: 29.73,166.79 30.68,165.84 31.73,165.84
Net-(Q222-Pad2): length 2.4
  Top w0.25: 143.1,154.8 144.05,153.85 145.1,153.85
Net-(Q225-Pad2): length 2.4
  Top w0.25: 142.9,248.4 143.85,247.45 144.9,247.45
Net-(Q227-Pad2): length 12